# Altium PCB NFC-Reader.PcbDoc (part 2 of 3) (continued)
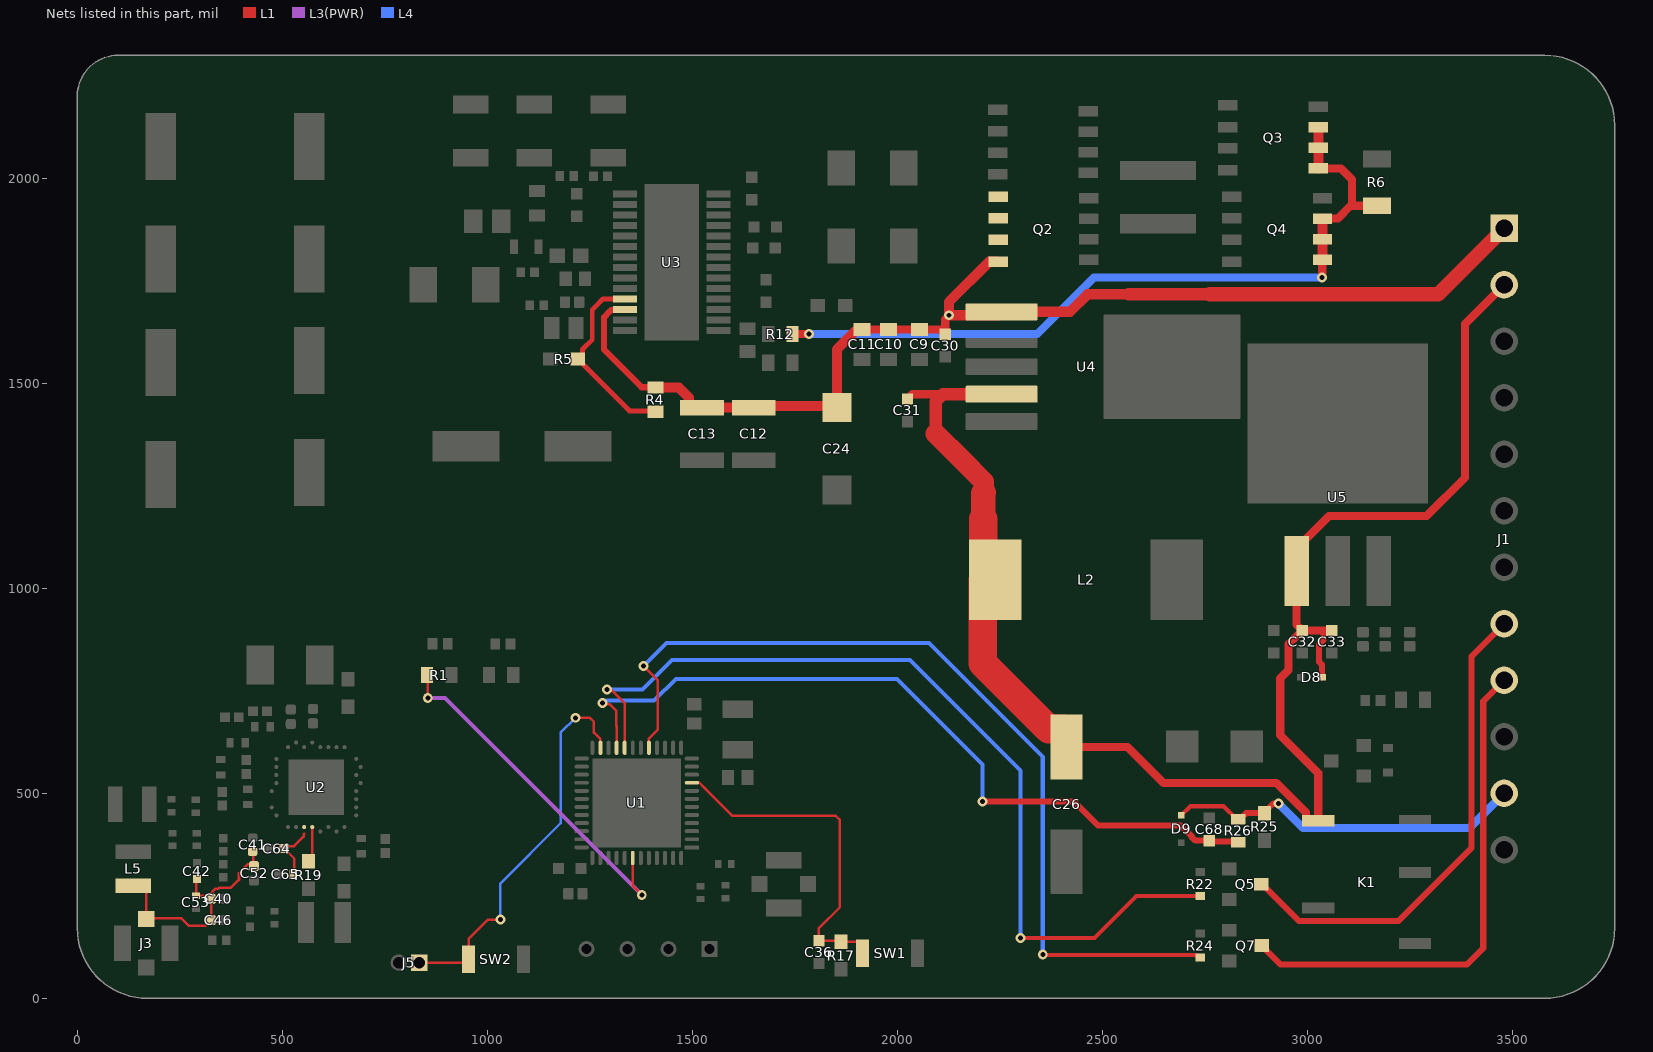
[diagram p4: the nets of this part, all layers, seen from the top]
## Part data (continued)
SW1 SW2: "Switch Tactile N.O. SPST Round Button Solder Tab 12VDC 50mA 200000Cycles 1.5N SMD Emboss T/R", Ambient Temperature Range High=70°C, Color=Silver, Contact Current Rating=50mA, Contact Resistance=100mΩ, Insulation Resistance=100MΩ, LCSC PN=C231329, Manufacturer=Omron, Manufacturer Package Identifier=B3U-1000P(M), Max Voltage Rating (DC)=12V, Min Operating Temperature=-25°C, Operating Force=1.99N, Ratings="Dust Proof, IP40", Actuator Length=400µm, Category="Tactile Switches", ComponentLink1Description=https://datasheet.octopart.com:443/B3U-1000P-Omron-datasheet-62106914.pdf?src-supplier=IHS, ComponentLink1URL=https://datasheet.octopart.com:443/B3U-1000P-Omron-datasheet-62106914.pdf?src-supplier=IHS, ComponentLink2Description=https://datasheet.octopart.com:443/B3U-1000P-Omron-datasheet-10910421.pdf?src-supplier=RS+(Formerly+Allied+Electronics), ComponentLink2URL=https://datasheet.octopart.com:443/B3U-1000P-Omron-datasheet-10910421.pdf?src-supplier=RS+(Formerly+Allied+Electronics), ComponentLink3Description=https://datasheet.octopart.com:443/B3U-1000P-Omron-datasheet-5458533.pdf?src-supplier=Upverter, ComponentLink3URL=https://datasheet.octopart.com:443/B3U-1000P-Omron-datasheet-5458533.pdf?src-supplier=Upverter, ComponentLink4Description=https://datasheet.octopart.com:443/B3U-1000P-Omron-datasheet-11968313.pdf?src-supplier=SOS+electronic, ComponentLink4URL=https://datasheet.octopart.com:443/B3U-1000P-Omron-datasheet-11968313.pdf?src-supplier=SOS+electronic, ComponentLink5Description=https://datasheet.octopart.com:443/B3U-1000P-Omron-datasheet-110759174.pdf?src-supplier=Newark, ComponentLink5URL=https://datasheet.octopart.com:443/B3U-1000P-Omron-datasheet-110759174.pdf?src-supplier=Newark, ComponentLink6Description=https://datasheet.octopart.com:443/B3U-1000P-Omron-datasheet-506776.pdf?src-supplier=Newark, ComponentLink6URL=https://datasheet.octopart.com:443/B3U-1000P-Omron-datasheet-506776.pdf?src-supplier=Newark, ComponentLink7Description=https://datasheet.octopart.com:443/B3U-1000P-Omron-datasheet-17589256.pdf?src-supplier=TME, ComponentLink7URL=https://datasheet.octopart.com:443/B3U-1000P-Omron-datasheet-17589256.pdf?src-supplier=TME, Contact Material=Silver, Contact Plating=Silver, Current Rating=50mA, Depth=2.5mm, Electrical Life=200kcycles, Height=1.2mm, Illumination Type="Illuminated, Non-Illuminated", Lead Free="Lead Free", Length=3mm, Life (Cycles)=200kcycles, Lifecycle Status=Production, Manufacturer Part Number=B3U-1000P, Max Current Rating=50mA, Max Operating Temperature=70°C, Mechanical Life=200kcycles, Mounting Technology="Surface Mount", Number of Positions=1, Packaging="Tape and Reel", Pins=2, Pricing="1=0.94, 10=0.759, 25=0.7368, 100=0.6909, 250=0.63796, 500=0.57526, 1000=0.57268, 3500=0.54684, 7000=0.54096, 10500=0.5099 (USD)", REACH SVHC=Yes, RoHS=Compliant, Sealable="DUST PROOF", Stock=62631, Supplier=DigiKey, Switch Function=Off-Mom, Switch Travel=150µm, Termination=SMD/SMT, Throw Configuration=SPST, Voltage Rating (DC)=12V, Weight=21.99923mg, Width=2.5mm
U1: "Bluetooth, WiFi 802.11b/g/n, Bluetooth v4.2 +EDR, Class 1, 2 and 3 Transceiver Module 2.4GHz ~ 2.5GHz Surface Mount", Clock Frequency=2.484GHz, LCSC PN=C193707, Manufacturer="Espressif Systems", Max Operating Temperature=85°C, Max Supply Voltage=3.6V, Min Operating Temperature=-40°C, Min Supply Voltage=3V, Nominal Supply Current=80mA, Operating Supply Voltage=3.3V, Bandwidth=72MHz, Category="RF Receivers, Transceivers", ComponentLink1Description=https://datasheet.octopart.com:443/ESP32-PICO-D4-Espressif-Systems-datasheet-138896082.pdf?src-supplier=IHS, ComponentLink1URL=https://datasheet.octopart.com:443/ESP32-PICO-D4-Espressif-Systems-datasheet-138896082.pdf?src-supplier=IHS, ComponentLink2Description=https://datasheet.octopart.com:443/ESP32-PICO-D4-Espressif-Systems-datasheet-188867343.pdf?src-supplier=TME, ComponentLink2URL=https://datasheet.octopart.com:443/ESP32-PICO-D4-Espressif-Systems-datasheet-188867343.pdf?src-supplier=TME, ComponentLink3Description=https://datasheet.octopart.com:443/ESP32-PICO-D4-Espressif-Systems-datasheet-165560559.pdf?src-supplier=TME, ComponentLink3URL=https://datasheet.octopart.com:443/ESP32-PICO-D4-Espressif-Systems-datasheet-165560559.pdf?src-supplier=TME, ComponentLink4Description=https://datasheet.octopart.com:443/ESP32-PICO-D4-Espressif-Systems-datasheet-109841465.pdf?src-supplier=TME, ComponentLink4URL=https://datasheet.octopart.com:443/ESP32-PICO-D4-Espressif-Systems-datasheet-109841465.pdf?src-supplier=TME, Data Rate=150mbps, Height=1.04mm, Height - Seated (Max)=1.04mm, Interface="I2C, I2S, SPI, UART", Length=7mm, Manufacturer Package Identifier=ESP32-PICO-D4, Manufacturer Part Number=ESP32-PICO-D4, Number of ADC Channels=18, Number of Circuits=1, Number of GPIO=22, Number of Terminals=48, Pricing="1=6.79, 10=5.885, 25=5.5696, 100=5.1367, 250=4.87732, 500=4.69424, 1000=4.52173, 2000=4.50003 (USD)", RoHS=Compliant, Stock=4731, Supplier=DigiKey, Terminal Pitch=500µm, Width=7mm
U2: "RFID Reader/Transponder IC 13.56MHz ISO 14443, ISO 15693, ISO 18000-3 SPI 2.7V ~ 5.5V 32-VFQFN Exposed Pad", Ambient Temperature Range High=110°C, Case/Package=VQFN, Clock Frequency=10MHz, Frequency=13.56MHz, LCSC PN=C117004, Manufacturer="Texas Instruments", Manufacturer Lifecycle Status=ACTIVE, Max Junction Temperature (Tj)=125°C, Max Supply Current=150mA, Max Supply Voltage=5.5V, Min Operating Temperature=-40°C, Min Supply Voltage=2.7V, Output Power=200mW, Category="NFC / RFID Components", ComponentLink1Description=https://sigma.octopart.com:443/62329895/technical_drawing/Texas-Instruments-TRF7970ARHBR.pdf?src-supplier=Texas+Instruments, ComponentLink1URL=https://sigma.octopart.com:443/62329895/technical_drawing/Texas-Instruments-TRF7970ARHBR.pdf?src-supplier=Texas+Instruments, ComponentLink2Description=https://octopart.com:443/opatz8j6/c1?t=IghbH9K5BSlkrmafdcRJOjOMiUtgER9_UsQYrHEJ6Vfo6Ioxq16LS6aIzyGCRnLvR9m9OBdPS8kwxfs_RCrwULCztlh_i_mrPqhWE-TKv1p1aFKq-a2T-72gKO8i_n92hmrRnFkuxQ6HqGicZvxZjjjInAwCXPw4t04numvYX1F5w6kKi9bTGPUaBVhJgBpiU6kFUz70XEg59TYW5G4lOmMRb6wPwkqmd0V4FfF6mxucMr8rde4kmAl5iv6vdj6zdgQV5BxJ1V84Wye9ek93ut4UBWezHG_egO_F_atnXHjzArlpiK84uSKLM4sZH2A012EttCbFqka2tdgwGGQhJEXuNUjqQbVs-zwZEEdtNsXtoskYaNvwxQknjklaDd_gE4gdLcwT&src-supplier=Texas+Instruments, ComponentLink2URL=https://octopart.com:443/opatz8j6/c1?t=IghbH9K5BSlkrmafdcRJOjOMiUtgER9_UsQYrHEJ6Vfo6Ioxq16LS6aIzyGCRnLvR9m9OBdPS8kwxfs_RCrwULCztlh_i_mrPqhWE-TKv1p1aFKq-a2T-72gKO8i_n92hmrRnFkuxQ6HqGicZvxZjjjInAwCXPw4t04numvYX1F5w6kKi9bTGPUaBVhJgBpiU6kFUz70XEg59TYW5G4lOmMRb6wPwkqmd0V4FfF6mxucMr8rde4kmAl5iv6vdj6zdgQV5BxJ1V84Wye9ek93ut4UBWezHG_egO_F_atnXHjzArlpiK84uSKLM4sZH2A012EttCbFqka2tdgwGGQhJEXuNUjqQbVs-zwZEEdtNsXtoskYaNvwxQknjklaDd_gE4gdLcwT&src-supplier=Texas+Instruments, ComponentLink3Description=https://datasheet.octopart.com:443/TRF7970ARHBR-Texas-Instruments-datasheet-13293049.pdf?src-supplier=Texas+Instruments, ComponentLink3URL=https://datasheet.octopart.com:443/TRF7970ARHBR-Texas-Instruments-datasheet-13293049.pdf?src-supplier=Texas+Instruments, ComponentLink4Description=https://datasheet.octopart.com:443/TRF7970ARHBR-Texas-Instruments-datasheet-12985920.pdf?src-supplier=Texas+Instruments, ComponentLink4URL=https://datasheet.octopart.com:443/TRF7970ARHBR-Texas-Instruments-datasheet-12985920.pdf?src-supplier=Texas+Instruments, ComponentLink5Description=https://datasheet.octopart.com:443/TRF7970ARHBR-Texas-Instruments-datasheet-11516041.pdf?src-supplier=Texas+Instruments, ComponentLink5URL=https://datasheet.octopart.com:443/TRF7970ARHBR-Texas-Instruments-datasheet-11516041.pdf?src-supplier=Texas+Instruments, ComponentLink6Description=https://datasheet.octopart.com:443/TRF7970ARHBR-Texas-Instruments-datasheet-10888147.pdf?src-supplier=Texas+Instruments, ComponentLink6URL=https://datasheet.octopart.com:443/TRF7970ARHBR-Texas-Instruments-datasheet-10888147.pdf?src-supplier=Texas+Instruments, ComponentLink7Description=https://sigma.octopart.com:443/49249790/technical_drawing/Texas-Instruments-TRF7970ARHBR.pdf?src-supplier=Texas+Instruments, ComponentLink7URL=https://sigma.octopart.com:443/49249790/technical_drawing/Texas-Instruments-TRF7970ARHBR.pdf?src-supplier=Texas+Instruments, ComponentLink8Description=https://datasheet.octopart.com:443/TRF7970ARHBR-Texas-Instruments-datasheet-15828043.pdf?src-supplier=Newark, ComponentLink8URL=https://datasheet.octopart.com:443/TRF7970ARHBR-Texas-Instruments-datasheet-15828043.pdf?src-supplier=Newark, ComponentLink9Description=https://datasheet.octopart.com:443/TRF7970ARHBR-Texas-Instruments-datasheet-85392281.pdf?src-supplier=Newark, ComponentLink9URL=https://datasheet.octopart.com:443/TRF7970ARHBR-Texas-Instruments-datasheet-85392281.pdf?src-supplier=Newark, ComponentLink10Description=https://datasheet.octopart.com:443/TRF7970ARHBR-Texas-Instruments-datasheet-57571215.pdf?src-supplier=Newark, ComponentLink10URL=https://datasheet.octopart.com:443/TRF7970ARHBR-Texas-Instruments-datasheet-57571215.pdf?src-supplier=Newark, ComponentLink11Description=https://datasheet.octopart.com:443/TRF7970ARHBR-Texas-Instruments-datasheet-38329872.pdf?src-supplier=Newark, ComponentLink11URL=https://datasheet.octopart.com:443/TRF7970ARHBR-Texas-Instruments-datasheet-38329872.pdf?src-supplier=Newark, ComponentLink12Description=https://datasheet.octopart.com:443/TRF7970ARHBR-Texas-Instruments-datasheet-10670366.pdf?src-supplier=Upverter, ComponentLink12URL=https://datasheet.octopart.com:443/TRF7970ARHBR-Texas-Instruments-datasheet-10670366.pdf?src-supplier=Upverter, ComponentLink13Description=https://datasheet.octopart.com:443/TRF7970ARHBR-Texas-Instruments-datasheet-164420946.pdf?src-supplier=Augswan, ComponentLink13URL=https://datasheet.octopart.com:443/TRF7970ARHBR-Texas-Instruments-datasheet-164420946.pdf?src-supplier=Augswan, ComponentLink14Description=https://datasheet.octopart.com:443/TRF7970ARHBR-Texas-Instruments-datasheet-164296437.pdf?src-supplier=LCSC, ComponentLink14URL=https://datasheet.octopart.com:443/TRF7970ARHBR-Texas-Instruments-datasheet-164296437.pdf?src-supplier=LCSC, ComponentLink15Description=https://datasheet.octopart.com:443/TRF7970ARHBR-Texas-Instruments-datasheet-140572024.pdf?src-supplier=Arrow.cn, ComponentLink15URL=https://datasheet.octopart.com:443/TRF7970ARHBR-Texas-Instruments-datasheet-140572024.pdf?src-supplier=Arrow.cn, ComponentLink16Description=http://sigma.octopart.com:80/reach_statement/Texas-Instruments-company-64.pdf?src-supplier=Compliance+Statements, ComponentLink16URL=http://sigma.octopart.com:80/reach_statement/Texas-Instruments-company-64.pdf?src-supplier=Compliance+Statements, ComponentLink17Description=http://sigma.octopart.com:80/conflict_mineral_statement/Texas-Instruments-company-63.pdf?src-supplier=Compliance+Statements, ComponentLink17URL=http://sigma.octopart.com:80/conflict_mineral_statement/Texas-Instruments-company-63.pdf?src-supplier=Compliance+Statements, Data Rate=848kbps, Height=1mm, Interface="Parallel, SPI", Lead Free="Lead Free", Length=5mm, Lifecycle Status=Production, Logic Function=AND, Manufacturer Part Number=TRF7970ARHBR, Max Operating Temperature=110°C, Memory Size=127B, Mounting Technology="Surface Mount", Nominal Supply Current=150mA, Number of Receivers=2, Number of Transmitters=1, Pins=32, Pricing="1=5.34, 10=4.619, 25=4.3692, 100=4.0263, 250=3.82068, 500=3.67548, 1000=3.53871 (USD)", Radiation Hardening=No, REACH SVHC=No, RoHS=Compliant, Schedule B="8542390000, 8542390000|8542390000|8542390000|8542390000|8542390000|8542390000|8542390000|8542390000|8542390000|8542390000|8542390000|8542390000|8542390000|8542390000|8542390000|8542390000|8542390000|8542390000|8542390000|8542390000|8542390000|8542390000|8542390000|85", Stock=6004, Supplier=DigiKey, Thickness=900µm, Type="Integrated Circuit (IC)", Width=5mm
U3: "Buck-Boost Regulator Positive Output Step-Up/Step-Down DC-DC Controller IC 28-HTSSOP", LCSC PN=C442493, Manufacturer="Texas Instruments", Manufacturer Lifecycle Status=ACTIVE, Max Operating Temperature=125°C, Min Operating Temperature=-40°C, Category="Integrated Circuits (ICs)", ComponentLink1Description=https://sigma.octopart.com:443/149651771/technical_drawing/Texas-Instruments-LM5176PWPR.pdf?src-supplier=Texas+Instruments, ComponentLink1URL=https://sigma.octopart.com:443/149651771/technical_drawing/Texas-Instruments-LM5176PWPR.pdf?src-supplier=Texas+Instruments, ComponentLink2Description=https://octopart.com:443/opatz8j6/c1?t=vc9joNWpwikMECXl6jF3E6Rz0PZzyxJ3n3avslgP6iGH_Pm5K3HR4EsbWHcWcqIwfDGu90-AGlzUONDyCsw9SQjo38uZJTNl_w7gbkiBgEYgQyjwYYxXEhyIccZGENrah1CXUA36_ziZ7gkexytO-K5vyI9DK7METPvHxjBHvmNi7OG2pls60FX5nxWavgVQIbahnLozQoMaI7COdlCCGP_rK5NhxD3Zcy536ewMOB-0ew3sExV3JOwhmLFHLLPgOPFcGktcdZRW_oquGXAgjDjlXW9igv-y-SbO22o8f6JpQ7Y9bUyjZdLcKuJKpBPJ_JZEwxLu5Gu4m0ryBmHhYRwT4KNP0P55HakqvFZvEL0VRet7s9h1vAUAT8aDmYu6rw4H&src-supplier=Texas+Instruments, ComponentLink2URL=https://octopart.com:443/opatz8j6/c1?t=vc9joNWpwikMECXl6jF3E6Rz0PZzyxJ3n3avslgP6iGH_Pm5K3HR4EsbWHcWcqIwfDGu90-AGlzUONDyCsw9SQjo38uZJTNl_w7gbkiBgEYgQyjwYYxXEhyIccZGENrah1CXUA36_ziZ7gkexytO-K5vyI9DK7METPvHxjBHvmNi7OG2pls60FX5nxWavgVQIbahnLozQoMaI7COdlCCGP_rK5NhxD3Zcy536ewMOB-0ew3sExV3JOwhmLFHLLPgOPFcGktcdZRW_oquGXAgjDjlXW9igv-y-SbO22o8f6JpQ7Y9bUyjZdLcKuJKpBPJ_JZEwxLu5Gu4m0ryBmHhYRwT4KNP0P55HakqvFZvEL0VRet7s9h1vAUAT8aDmYu6rw4H&src-supplier=Texas+Instruments, ComponentLink3Description=https://sigma.octopart.com:443/49250896/technical_drawing/Texas-Instruments-LM5176PWPR.pdf?src-supplier=Texas+Instruments, ComponentLink3URL=https://sigma.octopart.com:443/49250896/technical_drawing/Texas-Instruments-LM5176PWPR.pdf?src-supplier=Texas+Instruments, ComponentLink4Description=http://sigma.octopart.com:80/conflict_mineral_statement/Texas-Instruments-company-63.pdf?src-supplier=Compliance+Statements, ComponentLink4URL=http://sigma.octopart.com:80/conflict_mineral_statement/Texas-Instruments-company-63.pdf?src-supplier=Compliance+Statements, ComponentLink5Description=http://sigma.octopart.com:80/reach_statement/Texas-Instruments-company-64.pdf?src-supplier=Compliance+Statements, ComponentLink5URL=http://sigma.octopart.com:80/reach_statement/Texas-Instruments-company-64.pdf?src-supplier=Compliance+Statements, Height=1.2mm, Length=9.7mm, Lifecycle Status=Production, Manufacturer Part Number=LM5176PWPR, Pins=28, Pricing="1=7.76, 10=6.004, 25=5.5644, 100=5.0815, 250=4.85124, 500=4.71244, 1000=4.59822 (USD)", RoHS=Compliant, Schedule B="8542390000, 8542390000|8542390000|8542390000|8542390000|8542390000", Stock=2903, Supplier=DigiKey, Thickness=1mm, Topology=Buck-Boost, Width=4.4mm
U4: "Buck Switching Regulator IC Positive Fixed 5V 1 Output 3A TO-263-6, D2PAK (5 Leads + Tab), TO-263BA", Case/Package=TO-263, Frequency=52kHz, LCSC PN=C880552, Manufacturer="Texas Instruments", Manufacturer Lifecycle Status=ACTIVE, Max Operating Temperature=125°C, Max Output current=3A, Max Output Voltage=5V, Max Supply Voltage=40V, Min Input Voltage=4V, Min Operating Temperature=-40°C, Quiescent Current=5mA, Switching Frequency=58kHz, Category="Voltage Regulators - Switching", ComponentLink1Description=https://datasheet.octopart.com:443/LM2576S-5.0-NOPB-Texas-Instruments-datasheet-31978431.pdf?src-supplier=Texas+Instruments, ComponentLink1URL=https://datasheet.octopart.com:443/LM2576S-5.0-NOPB-Texas-Instruments-datasheet-31978431.pdf?src-supplier=Texas+Instruments, ComponentLink2Description=https://octopart.com:443/opatz8j6/c1?t=vTLdpRcAlzxwQmwqkV-g5MTzL91FKiO8YCI-dhDlBjpFOXpoGPAkGRLiTPFv47FK8lYGfcXnum07RhFvMeg1HOGeo0LtdumxMxlN-xIkQw_vfXVzXGM0akenp6bKSTQFj1ZNusz68omFsyoOEm7g8d48LyM-SBkJ450NokXq2LiP3OuQAUCWRcJ0fwOEKd-FiuQnLDD6_BmQm3RvgjH20xeAZz2rgyw7lq3YoxOYrDy4xa6ZrBdDRdlCT8mEW5r_sEj2UZ1aF5CWxKLh0_vzSqei1yh5VZFFU7dwVtAbvRRfzdO2kJX0aQP-zxD6PSGdgU1GpBbMbKmIB9_ozpNjtvVts8IHig-UoyxZFed4aLsETwF_D_Fqylvb_4qKpcoF7BDWuA&src-supplier=Texas+Instruments, ComponentLink2URL=https://octopart.com:443/opatz8j6/c1?t=vTLdpRcAlzxwQmwqkV-g5MTzL91FKiO8YCI-dhDlBjpFOXpoGPAkGRLiTPFv47FK8lYGfcXnum07RhFvMeg1HOGeo0LtdumxMxlN-xIkQw_vfXVzXGM0akenp6bKSTQFj1ZNusz68omFsyoOEm7g8d48LyM-SBkJ450NokXq2LiP3OuQAUCWRcJ0fwOEKd-FiuQnLDD6_BmQm3RvgjH20xeAZz2rgyw7lq3YoxOYrDy4xa6ZrBdDRdlCT8mEW5r_sEj2UZ1aF5CWxKLh0_vzSqei1yh5VZFFU7dwVtAbvRRfzdO2kJX0aQP-zxD6PSGdgU1GpBbMbKmIB9_ozpNjtvVts8IHig-UoyxZFed4aLsETwF_D_Fqylvb_4qKpcoF7BDWuA&src-supplier=Texas+Instruments, ComponentLink3Description=https://sigma.octopart.com:443/49250911/technical_drawing/Texas-Instruments-LM2576S-5.0-NOPB.pdf?src-supplier=Texas+Instruments, ComponentLink3URL=https://sigma.octopart.com:443/49250911/technical_drawing/Texas-Instruments-LM2576S-5.0-NOPB.pdf?src-supplier=Texas+Instruments, ComponentLink4Description=https://datasheet.octopart.com:443/LM2576S-5.0-NOPB-Texas-Instruments-datasheet-14775416.pdf?src-supplier=Texas+Instruments, ComponentLink4URL=https://datasheet.octopart.com:443/LM2576S-5.0-NOPB-Texas-Instruments-datasheet-14775416.pdf?src-supplier=Texas+Instruments, ComponentLink5Description=https://datasheet.octopart.com:443/LM2576S-5.0/NOPB-Texas-Instruments-datasheet-13482831.pdf?src-supplier=Texas+Instruments, ComponentLink5URL=https://datasheet.octopart.com:443/LM2576S-5.0/NOPB-Texas-Instruments-datasheet-13482831.pdf?src-supplier=Texas+Instruments, ComponentLink6Description=https://datasheet.octopart.com:443/LM2576S-5.0/NOPB-Texas-Instruments-datasheet-10618141.pdf?src-supplier=element14, ComponentLink6URL=https://datasheet.octopart.com:443/LM2576S-5.0/NOPB-Texas-Instruments-datasheet-10618141.pdf?src-supplier=element14, ComponentLink7Description=https://datasheet.octopart.com:443/LM2576S-5.0-NOPB-Texas-Instruments-datasheet-2713.pdf?src-supplier=element14, ComponentLink7URL=https://datasheet.octopart.com:443/LM2576S-5.0-NOPB-Texas-Instruments-datasheet-2713.pdf?src-supplier=element14, ComponentLink8Description=https://datasheet.octopart.com:443/LM2576S-5.0-NOPB-Texas-Instruments-datasheet-21076658.pdf?src-supplier=Newark, ComponentLink8URL=https://datasheet.octopart.com:443/LM2576S-5.0-NOPB-Texas-Instruments-datasheet-21076658.pdf?src-supplier=Newark, ComponentLink9Description=https://datasheet.octopart.com:443/LM2576S-5.0-NOPB-Texas-Instruments-datasheet-58101102.pdf?src-supplier=Newark, ComponentLink9URL=https://datasheet.octopart.com:443/LM2576S-5.0-NOPB-Texas-Instruments-datasheet-58101102.pdf?src-supplier=Newark, ComponentLink10Description=https://datasheet.octopart.com:443/LM2576S-5.0-NOPB-Texas-Instruments-datasheet-21076659.pdf?src-supplier=Farnell, ComponentLink10URL=https://datasheet.octopart.com:443/LM2576S-5.0-NOPB-Texas-Instruments-datasheet-21076659.pdf?src-supplier=Farnell, ComponentLink11Description=https://datasheet.octopart.com:443/LM2576S-5.0-NOPB-Texas-Instruments-datasheet-14720404.pdf?src-supplier=Farnell, ComponentLink11URL=https://datasheet.octopart.com:443/LM2576S-5.0-NOPB-Texas-Instruments-datasheet-14720404.pdf?src-supplier=Farnell, ComponentLink12Description=https://datasheet.octopart.com:443/LM2576S-5.0-NOPB-Texas-Instruments-datasheet-164397537.pdf?src-supplier=LCSC, ComponentLink12URL=https://datasheet.octopart.com:443/LM2576S-5.0-NOPB-Texas-Instruments-datasheet-164397537.pdf?src-supplier=LCSC, ComponentLink13Description=https://datasheet.octopart.com:443/LM2576S-5.0-NOPB-Texas-Instruments-datasheet-159115115.pdf?src-supplier=LCSC, ComponentLink13URL=https://datasheet.octopart.com:443/LM2576S-5.0-NOPB-Texas-Instruments-datasheet-159115115.pdf?src-supplier=LCSC, ComponentLink14Description=https://datasheet.octopart.com:443/LM2576S-5.0-NOPB-Texas-Instruments-datasheet-96976008.pdf?src-supplier=TME, ComponentLink14URL=https://datasheet.octopart.com:443/LM2576S-5.0-NOPB-Texas-Instruments-datasheet-96976008.pdf?src-supplier=TME, ComponentLink15Description=https://datasheet.octopart.com:443/LM2576S-5.0-NOPB-Texas-Instruments-datasheet-49271545.pdf?src-supplier=element14+APAC, ComponentLink15URL=https://datasheet.octopart.com:443/LM2576S-5.0-NOPB-Texas-Instruments-datasheet-49271545.pdf?src-supplier=element14+APAC, ComponentLink16Description=https://datasheet.octopart.com:443/LM2576S-5.0/NOPB-National-Semiconductor-datasheet-9902084.pdf?src-supplier=RS+(Formerly+Allied+Electronics), ComponentLink16URL=https://datasheet.octopart.com:443/LM2576S-5.0/NOPB-National-Semiconductor-datasheet-9902084.pdf?src-supplier=RS+(Formerly+Allied+Electronics), ComponentLink17Description=https://datasheet.octopart.com:443/LM2576S-5.0-NOPB-Texas-Instruments-datasheet-8321813.pdf?src-supplier=Jameco, ComponentLink17URL=https://datasheet.octopart.com:443/LM2576S-5.0-NOPB-Texas-Instruments-datasheet-8321813.pdf?src-supplier=Jameco, ComponentLink18Description=http://sigma.octopart.com:80/conflict_mineral_statement/Texas-Instruments-company-63.pdf?src-supplier=Compliance+Statements, ComponentLink18URL=http://sigma.octopart.com:80/conflict_mineral_statement/Texas-Instruments-company-63.pdf?src-supplier=Compliance+Statements, ComponentLink19Description=http://sigma.octopart.com:80/reach_statement/Texas-Instruments-company-64.pdf?src-supplier=Compliance+Statements, ComponentLink19URL=http://sigma.octopart.com:80/reach_statement/Texas-Instruments-company-64.pdf?src-supplier=Compliance+Statements, Contact Plating=Tin, Efficiency=77%, Height=4.83mm, Length=10.16mm, Lifecycle Status=Production, Manufacturer Part Number=LM2576S-5.0/NOPB, Min Supply Voltage=4V, Mounting Technology="Surface Mount", Nominal Output Voltage=5V, Number of Channels=1, Number of Outputs=1, Output Current=3A, Output Type=Fixed, Output Voltage=5V, Pins=5, Pricing="1=4.48, 10=3.404, 45=2.99378, 135=2.78644, 270=2.68493, 540=2.60139, 1035=2.53646, 2520=2.46488 (USD)", Radiation Hardening=No, REACH SVHC=No, RoHS=Compliant, Schedule B="8542390000, 8542390000|8542390000, 8542390000|8542390000|8542390000, 8542390000|8542390000|8542390000|8542390000", Stock=2580, Supplier=DigiKey, Termination=SMD/SMT, Thickness=4.58mm, Topology=Buck, Weight=113.398093g, Width=8.42mm
U5: "Linear Voltage Regulator IC Positive Fixed 1 Output 1.25A TO-263-3", Case/Package=TO-263-3, Dropout Voltage=400mV, LCSC PN=C632743, Manufacturer=Microchip, Max Junction Temperature (Tj)=125°C, Max Output current=1.25A, Max Supply Voltage=26V, Min Input Voltage=2V, Min Operating Temperature=-40°C, Min Output Voltage=3.3V, Min Supply Voltage=3.7V, Output Voltage Accuracy=1%, Quiescent Current=500µA, Accuracy=2.5%, Category="LDO Voltage Regulators", ComponentLink1Description=https://datasheet.octopart.com:443/MIC2940A-3.3WU-TR-Microchip-datasheet-164493852.pdf?src-supplier=Upverter, ComponentLink1URL=https://datasheet.octopart.com:443/MIC2940A-3.3WU-TR-Microchip-datasheet-164493852.pdf?src-supplier=Upverter, ComponentLink2Description=https://datasheet.octopart.com:443/MIC2940A-3.3WU-TR-Microchip-datasheet-109479.pdf?src-supplier=SHENGYU+ELECTRONICS, ComponentLink2URL=https://datasheet.octopart.com:443/MIC2940A-3.3WU-TR-Microchip-datasheet-109479.pdf?src-supplier=SHENGYU+ELECTRONICS, ComponentLink3Description=https://datasheet.octopart.com:443/MIC2940A-3.3WU-TR-Microchip-datasheet-134530682.pdf?src-supplier=Geoflip, ComponentLink3URL=https://datasheet.octopart.com:443/MIC2940A-3.3WU-TR-Microchip-datasheet-134530682.pdf?src-supplier=Geoflip, ComponentLink4Description=https://datasheet.octopart.com:443/MIC2940A-3.3WUTR-Micrel-datasheet-14170148.pdf?src-supplier=iiiC, ComponentLink4URL=https://datasheet.octopart.com:443/MIC2940A-3.3WUTR-Micrel-datasheet-14170148.pdf?src-supplier=iiiC, ComponentLink5Description=http://sigma.octopart.com:80/188455473/materials_sheet/Microchip-MIC2940A-3.3WU-TR.pdf?src-supplier=Compliance+Statements, ComponentLink5URL=http://sigma.octopart.com:80/188455473/materials_sheet/Microchip-MIC2940A-3.3WU-TR.pdf?src-supplier=Compliance+Statements, ComponentLink6Description=http://sigma.octopart.com:80/conflict_mineral_statement/Microchip-company-68.pdf?src-supplier=Compliance+Statements, ComponentLink6URL=http://sigma.octopart.com:80/conflict_mineral_statement/Microchip-company-68.pdf?src-supplier=Compliance+Statements, ComponentLink7Description=http://sigma.octopart.com:80/conflict_mineral_statement/Microchip-company-69.pdf?src-supplier=Compliance+Statements, ComponentLink7URL=http://sigma.octopart.com:80/conflict_mineral_statement/Microchip-company-69.pdf?src-supplier=Compliance+Statements, ComponentLink8Description=http://sigma.octopart.com:80/reach_statement/Microchip-company-70.pdf?src-supplier=Compliance+Statements, ComponentLink8URL=http://sigma.octopart.com:80/reach_statement/Microchip-company-70.pdf?src-supplier=Compliance+Statements, ComponentLink9Description=http://sigma.octopart.com:80/rohs_statement/Microchip-company-71.pdf?src-supplier=Compliance+Statements, ComponentLink9URL=http://sigma.octopart.com:80/rohs_statement/Microchip-company-71.pdf?src-supplier=Compliance+Statements, Country of Assembly=China, Country of Fabrication="United States of America", Country of Origin=China, Export Control Classification Number (ECCN) Code=EAR99, Harmonized Tariff Schedule (HTS) Code=8542.39.0060, Height=4.902mm, Lead Free="Lead Free", Lifecycle Status=Production, Manufacturer Part Number=MIC2940A-3.3WU-TR, Max Operating Temperature=125°C, Mounting Technology="Surface Mount", Number of Outputs=1, Number of Regulators=1, Output Current=1.25A, Output Voltage=3.3V, Pins=3, Polarity=Positive, Pricing="1=2.67, 25=2.23, 100=2.03, 750=2.03001 (USD)", Projected EOL Date=2034-05-14, Radiation Hardening=No, RoHS=Compliant, Schedule B=8542390000, Stock=772, Supplier=DigiKey
Y1: "13.56 MHz ±30ppm Crystal 18pF 50 Ohms 2-SMD, No Lead", LCSC PN=C6633022, Manufacturer=QST, Category=Crystals, ComponentLink1Description=https://datasheet.octopart.com:443/QT532G-13.560MAHJ-T-QST-datasheet-188916294.pdf?src-supplier=TME, ComponentLink1URL=https://datasheet.octopart.com:443/QT532G-13.560MAHJ-T-QST-datasheet-188916294.pdf?src-supplier=TME, Manufacturer Part Number=QT532G-13.560MAHJ-T, Pricing="1=0.56, 10=0.491, 25=0.4644, 50=0.445, 100=0.4266, 250=0.40344, 500=0.38674, 1000=0.37073, 2000=0.3554, 3000=0.34672, 5000=0.3361, 7000=0.32929, 10000=0.32222, 12000=0.31866, 24000=0.30551, 25000=0.30475 (USD)", Stock=800, Supplier=DigiKey
Y2: "32.768 kHz ±20ppm Crystal 12.5pF 70 kOhms 2-SMD, No Lead", Case/Package=CSMD, ESR (Equivalent Series Resistance)=70kΩ, Frequency=32.768kHz, Frequency Stability=144ppm, Frequency Tolerance=0.002%, LCSC PN=C130253, Load Capacitance=12.5pF, Manufacturer=Abracon, Max Operating Temperature=85°C, Min Operating Temperature=-40°C, Category=Crystals, China RoHS=Compliant, ComponentLink1Description=https://datasheet.octopart.com:443/ABS07-32.768KHZ-T-Abracon-datasheet-166693031.pdf?src-supplier=Master+Electronics, ComponentLink1URL=https://datasheet.octopart.com:443/ABS07-32.768KHZ-T-Abracon-datasheet-166693031.pdf?src-supplier=Master+Electronics, ComponentLink2Description=https://datasheet.octopart.com:443/ABS07-32.768KHZ-T-Abracon-datasheet-103422647.pdf?src-supplier=JRH+Electronics, ComponentLink2URL=https://datasheet.octopart.com:443/ABS07-32.768KHZ-T-Abracon-datasheet-103422647.pdf?src-supplier=JRH+Electronics, ComponentLink3Description=https://datasheet.octopart.com:443/ABS07-32.768KHZ-T-Abracon-datasheet-12512028.pdf?src-supplier=Upverter, ComponentLink3URL=https://datasheet.octopart.com:443/ABS07-32.768KHZ-T-Abracon-datasheet-12512028.pdf?src-supplier=Upverter, ComponentLink4Description=https://datasheet.octopart.com:443/ABS07-32.768KHZ-T-Abracon-datasheet-10031075.pdf?src-supplier=Upverter, ComponentLink4URL=https://datasheet.octopart.com:443/ABS07-32.768KHZ-T-Abracon-datasheet-10031075.pdf?src-supplier=Upverter, ComponentLink5Description=https://datasheet.octopart.com:443/ABS07-32.768KHZ-T-Abracon-datasheet-8326266.pdf?src-supplier=Upverter, ComponentLink5URL=https://datasheet.octopart.com:443/ABS07-32.768KHZ-T-Abracon-datasheet-8326266.pdf?src-supplier=Upverter, ComponentLink6Description=https://datasheet.octopart.com:443/ABS07-32.768KHZ-T-Abracon-datasheet-121082.pdf?src-supplier=Upverter, ComponentLink6URL=https://datasheet.octopart.com:443/ABS07-32.768KHZ-T-Abracon-datasheet-121082.pdf?src-supplier=Upverter, ComponentLink7Description=https://datasheet.octopart.com:443/ABS07-32.768KHZ-T-Abracon-datasheet-41191559.pdf?src-supplier=element14+APAC, ComponentLink7URL=https://datasheet.octopart.com:443/ABS07-32.768KHZ-T-Abracon-datasheet-41191559.pdf?src-supplier=element14+APAC, ComponentLink8Description=https://datasheet.octopart.com:443/ABS07-32.768KHZ-T-Abracon-datasheet-15206620.pdf?src-supplier=Newark, ComponentLink8URL=https://datasheet.octopart.com:443/ABS07-32.768KHZ-T-Abracon-datasheet-15206620.pdf?src-supplier=Newark, ComponentLink9Description=https://datasheet.octopart.com:443/ABS07-32.768KHZ-T-Abracon-datasheet-37124839.pdf?src-supplier=Farnell, ComponentLink9URL=https://datasheet.octopart.com:443/ABS07-32.768KHZ-T-Abracon-datasheet-37124839.pdf?src-supplier=Farnell, ComponentLink10Description=https://datasheet.octopart.com:443/ABS07-32.768KHZ-T-Abracon-datasheet-128558976.pdf?src-supplier=X-ON, ComponentLink10URL=https://datasheet.octopart.com:443/ABS07-32.768KHZ-T-Abracon-datasheet-128558976.pdf?src-supplier=X-ON, ComponentLink11Description=https://datasheet.octopart.com:443/ABS07-32.768KHZ-T-Abracon-datasheet-49826663.pdf?src-supplier=TME, ComponentLink11URL=https://datasheet.octopart.com:443/ABS07-32.768KHZ-T-Abracon-datasheet-49826663.pdf?src-supplier=TME, ComponentLink12Description=https://datasheet.octopart.com:443/ABS07-32.768KHZ-T-Abracon-datasheet-15994676.pdf?src-supplier=TME, ComponentLink12URL=https://datasheet.octopart.com:443/ABS07-32.768KHZ-T-Abracon-datasheet-15994676.pdf?src-supplier=TME, ComponentLink13Description=http://sigma.octopart.com:80/conflict_mineral_statement/Abracon-company-27.pdf?src-supplier=Compliance+Statements, ComponentLink13URL=http://sigma.octopart.com:80/conflict_mineral_statement/Abracon-company-27.pdf?src-supplier=Compliance+Statements, Depth=1.5mm, ESR=70kΩ, Height=900µm, Lead Free="Lead Free", Length=3.2mm, Lifecycle Status=Production, Manufacturer Part Number=ABS07-32.768KHZ-T, Mounting Technology="Surface Mount", Packaging="Tape and Reel", Pins=2, Pricing="1=0.61, 10=0.528, 25=0.4996, 50=0.4788, 100=0.4591, 250=0.43416, 500=0.41618, 1000=0.39896 (USD)", Radiation Hardening=No, REACH SVHC=Yes, RoHS=Compliant, Schedule B="8541600025, 8541600025|8541600025, 8541600025|8541600025|8541600025, 8541600025|8541600025|8541600025|8541600025", Stock=949488, Supplier=DigiKey, Termination=SMD/SMT, Tolerance=0.002%, Width=1.5494mm

## Via types
v1: diameter 24, hole 12, L1 to L4, tented both sides, 641 vias
v2: diameter 19.68, hole 7.87, L1 to L4, tented both sides, 24 vias

## Nets (pads, with @x,y where several pads share a name; then routed paths per layer and width w, separated by ;. In a path a pad name is that pad's centre, name@x,y a point inside that pad or via, vN(x,y) a via of type N, cw(c..) or ccw(c..) an arc to the next point about the centre after c; other vN are vias at no path point)
50_OHM: C40.2 C41.1 C42.1 C46.2 C52.2 C53.2 J3.1 L5.1 | length 596.7
  L1 w6.16: L5.1@136.09,274.28 155.38,274.28 168.09,261.56 J3.1@168.09,193.53 169.2,194.63 253.81,194.63 271.44,177 312.82,177 C46.2@326.38,190.56 C40.2@326.38,242.47 326.38,244.5 C40.2@320.65,250.22 ; C42.1@291.78,290.47 290.57,289.27 290.57,251.43 C53.2@289.37,250.22 C40.2@320.65,250.22 ; C41.1@427.89,357.54 429.51,355.92 C52.2@429.51,326.6 ; C52.2@431.14,321.97 425.87,327.24 416.86,327.24 394.51,304.9 394.51,289.58 374.9,269.97 346.32,269.97 343.59,267.24 337.67,267.24 C40.2@320.65,250.22
+5: C26.2 C31.2 C32.1 C33.2 D8.1 J1.2 K1.1 L2.2 U4.4 U5.1 | length 3889.4
  L1 w15: D8.1@3035.98,782.59 3035.98,813.55 3028.72,820.81 3028.72,862.87 3039.35,873.5 3039.35,896.96
  L1 w20: C31.2@2025,1461.56 2036.76,1473.32 2111.57,1473.32 ; C26.2@2413,612.76 2561.6,612.76 2649.36,525 2925.25,525 2997.28,452.97 2997.28,436.39 3001.06,432.61 K1.1@3026.65,432.61 3026.65,549.23 2934,641.88 2934,780 2954.22,800.22 2954.22,863.91 2968.36,878.05 2969.09,878.05 C32.1@2990,898.96 ; C33.2@3060,896.96 3039.35,896.96 C32.1@2988,896.96 2974,910.96 U5.1@2974,1042 2974,1097 3053,1176 3291.28,1176 3384.82,1269.54 3384.82,1644.5 J1.2@3480.4,1740.08
  L1 w30: 2094,1377 2094,1455.75 2111.57,1473.32 U4.4@2254.65,1473.32
  L1 w50: 2094,1377 2158,1313 2211,1260 2211,1233
  L1 w60: 2210,1168 2210,1232 2211,1233
  L1 w70: L2.2@2208.54,1020.63 2208.54,817.22 2369.26,656.5 2408.63,656.5 2413,652.13 C26.2@2413,612.76 ; 2210,1168 2210,1049.6 L2.2@2238.97,1020.63
+12: C9.2 C10.2 C11.2 C12.2 C13.2 C24.2 C30.2 J1.1 Q2.5 Q2.6 Q2.7 Q2.8 R4.2 U3.12 U4.1 | length 2870.4
  L1 w15: U3.12@1335.83,1679.84 1334.47,1678.48 1302.31,1678.48 1299.24,1675.42 1285,1661.18 1285,1582 1376.6,1490.4 1409.13,1490.4 R4.2@1410,1489.53
  L1 w20: C11.2@1914.08,1631 C10.2@1979.05,1631 C9.2@2054,1631 2105.56,1631 C30.2@2117,1619.56 2117,1655.51 2126.35,1664.86 v1(2126.35,1665.94)
  L1 w25: R4.2@1410,1489.53 1467.19,1489.53 1491.94,1464.77 1491.94,1446.98 1498.34,1440.58 C13.2@1523.99,1440.58 C12.2@1649.98,1440.58 ; C12.2@1658.98,1440.58 1662.93,1444.53 C24.2@1840,1444.53 ; C24.2@1852.75,1440.39 1852.75,1582.24 1898.25,1627.75 1910.83,1627.75 C11.2@1914.08,1631 ; Q2.8@2246,1796.89 2245.7,1796.59 2224.59,1796.59 2126.35,1698.35 v1(2126.35,1665.94) 2246.48,1665.94 U4.1@2254.65,1674.11 2421.34,1674.11 2464.23,1717 2564,1717
  L1 w30: 2564,1717 2762,1717
  L1 w35: 2762,1717 3319.53,1717 J1.1@3480.4,1877.87
ASK/OOK: R19.2 U2.12 | length 87.3
  L1 w6.16: R19.2@564.09,333.94 573,342.84 573,374.18 573.16,374.34 573.16,390 U2.12@573.16,417.5
BAND_GAP: C64.2 C65.2 U2.11 | length 141.4
  L1 w6.16: C64.2@503.8,364.96 510.07,371.23 529.1,371.23 552.15,394.28 552.15,399.44 553.47,400.77 ; C64.2@504.64,364.96 529.23,340.38 529.23,307.47 526.23,304.47 C65.2@526.23,302.47
BLUE_LED: R1.1 U1.42 | length 876.7
  L1 w6.16: v1(855,732) R1.1@855,786.47 ; U1.42@1354.82,342.02 1354.82,300.31 1355.13,300 1355.13,273.87 v1(1377,252)
  L1 w10: R1.1@853.47,788 R1.1@855,786.47
  L3(PWR) w10: v1(855,732) 897,732 v1(1377,252)
BOOT: J5.1 SW2.1 U1.23 | length 958.6
  L1 w6.16: J5.1@834,87 948.32,87 954.07,92.75 SW2.1@954.07,95 955.36,96.28 955.36,145.35 1002,192 v1(1032,192) ; v1(1215,684) 1250.33,684 1260,674.33 1260,648.17 1276.08,632.09 U1.23@1276.08,610.8
  L4 w6.16: v1(1032,192) 1032,279.82 1179,426.82 1179,648 v1(1215,684)
CS: Q3.1 Q3.2 Q3.3 Q4.1 Q4.2 Q4.3 R6.2 R12.1 | length 1896.3
  L1 w20: R12.1@1744.53,1620 v1(1785,1620) ; Q3.1@3027.22,2024 3082.25,2024 3109,1997.25 3109,1935.97 3106.14,1933.11 ; v1(3036,1758) 3036.61,1758.61 3036.61,1800.28 Q4.1@3037.22,1800.89 ; Q4.3@3037.22,1900.89 3038.29,1901.96 3074.99,1901.96 3106.14,1933.11 ; R6.2@3170,1933.11 3106.14,1933.11
  L1 w25: Q3.1@3027.22,2024 Q3.2@3027.22,2074 Q3.3@3027.22,2124 ; Q4.1@3037.22,1800.89 Q4.2@3037.22,1850.89 Q4.3@3037.22,1900.89
  L4 w20: v1(1785,1620) 2341.5,1620 2479.5,1758 v1(3036,1758)
EN_ESP32: C36.1 R17.1 SW1.2 U1.9 | length 843.2
  L1 w6.16: U1.9@1499.05,525.62 1517.38,525.62 1530,513 1598,445 1850,445 1860,435 1860,222 1809,171 C36.1@1809,140 1860.61,140 R17.1@1863.14,137.46 1904.82,137.46 1915.57,126.72 SW1.2@1915.57,110.24
ESP32_GREEN_LED: R24.2 U1.17 | length 2204.6
  L1 w6.16: v1(1381,810) 1416,775 1416,665 1416,655 1394.19,633.19 U1.17@1394.19,610.8
  L1 w10: v1@2355,105 2726.33,105 2727.55,103.78 2734.16,103.78 R24.2@2739,98.94
  L4 w10: v1(1381,810) 1437,866 2077,866 2355,588 v1@2355,105
  other v1: 2355,107
ESP32_RED_LED: R22.2 U1.20 | length 2184.9
  L1 w6.16: v1@1302,753 1335.13,719.87 1335.13,656.71 1335.04,656.62 1335.04,648.43 1335.13,648.34 U1.20@1335.13,610.8
  L1 w10: v1(2301,147) 2481.09,147 2583.03,248.94 R22.2@2739,248.94
  L4 w10: v1@1302,753 1378.89,753 1450.89,825 2031,825 2301,555 v1(2301,147)
  other v1: 1292,753
ESP32_SW: C68.2 R26.2 U1.21 | length 1922.3
  L1 w6.16: v1(1281,720) 1283.68,717.32 1297.95,717.32 1315.13,700.13 1315.13,665 ; U1.21@1315.45,610.8 1315.45,664.68
  L1 w10: R26.2@2829.6,382.18 R26.2@2831.86,379.92
  L1 w15: v1(2208,480) 2431.02,480 2489.93,421.09 2691.94,421.09 2718.37,394.66 2718.37,393.23 2727.16,384.44 C68.2@2761,384.44 ; C68.2@2763.26,382.18 R26.2@2829.6,382.18
  L4 w10: v1(1281,720) 1284.79,720 1290.79,726 1407,726 1460,779 1999,779 2208,570 v1(2208,480)
EXT_GREEN_LED: J1.9 Q7.3 | length 1250.6
  L1 w15: Q7.3@2889,128.46 2935.46,82 3389,82 3429.44,122.44 3429.44,724.55 J1.9@3480.4,775.51
EXT_RED_LED: J1.8 Q5.3 | length 1202.8
  L1 w15: Q5.3@2888.37,278.13 2890.34,278.13 2979.74,188.73 3222.88,188.73 3401,366.85 3401,833.9 J1.8@3480.4,913.31
EXT_SW: D9.1 J1.11 R25.1 R26.1 | length 886.7
  L1 w10: D9.1@2693,446.46 2714.87,468.34 2795.61,468.34 2826.94,437.01 R26.1@2831.86,437.01
  L1 w15: R26.1@2831.86,437.01 2836.78,437.01 2842.08,442.3 2842.08,442.92 2850.86,451.7 R25.1@2896.19,451.7 2896.19,453.67 2917.52,475 v1(2930,475)
  L4 w20: v1(2930,475) 2990,415 3395.48,415 J1.11@3480.4,499.92
FB_12V: R4.1 R5.2 U3.11 | length 470.9
  L1 w12: U3.11@1335.83,1705.43 1299.24,1705.43 1281.84,1705.43 1263.03,1686.62 1256,1679.59 1256,1606.44 1232.18,1582.62 1232.18,1568.75 R5.2@1222.43,1559 ; R4.1@1410,1430.47 1407.82,1432.66 1346.81,1432.66 1232.18,1547.28 1232.18,1549.25 R5.2@1222.43,1559 ; R5.2@1222.43,1559 R5.2@1220.46,1559 R5.2@1222.43,1559